# Altium PCB ARES_R06_Power.PcbDoc (part 2 of 4)
Units mm, origin at the board's own origin, x right, y up, seen from the top; angles counter-clockwise.
Board outline 75.45 x 77.99 mm, 6 copper layers (Top Layer, Mid Layer 1, Mid Layer 2, Mid Layer 3, Mid Layer 4, Bottom Layer), stack 1.58 mm thick; 168 components, 103 nets, 519 pads, 415 vias.
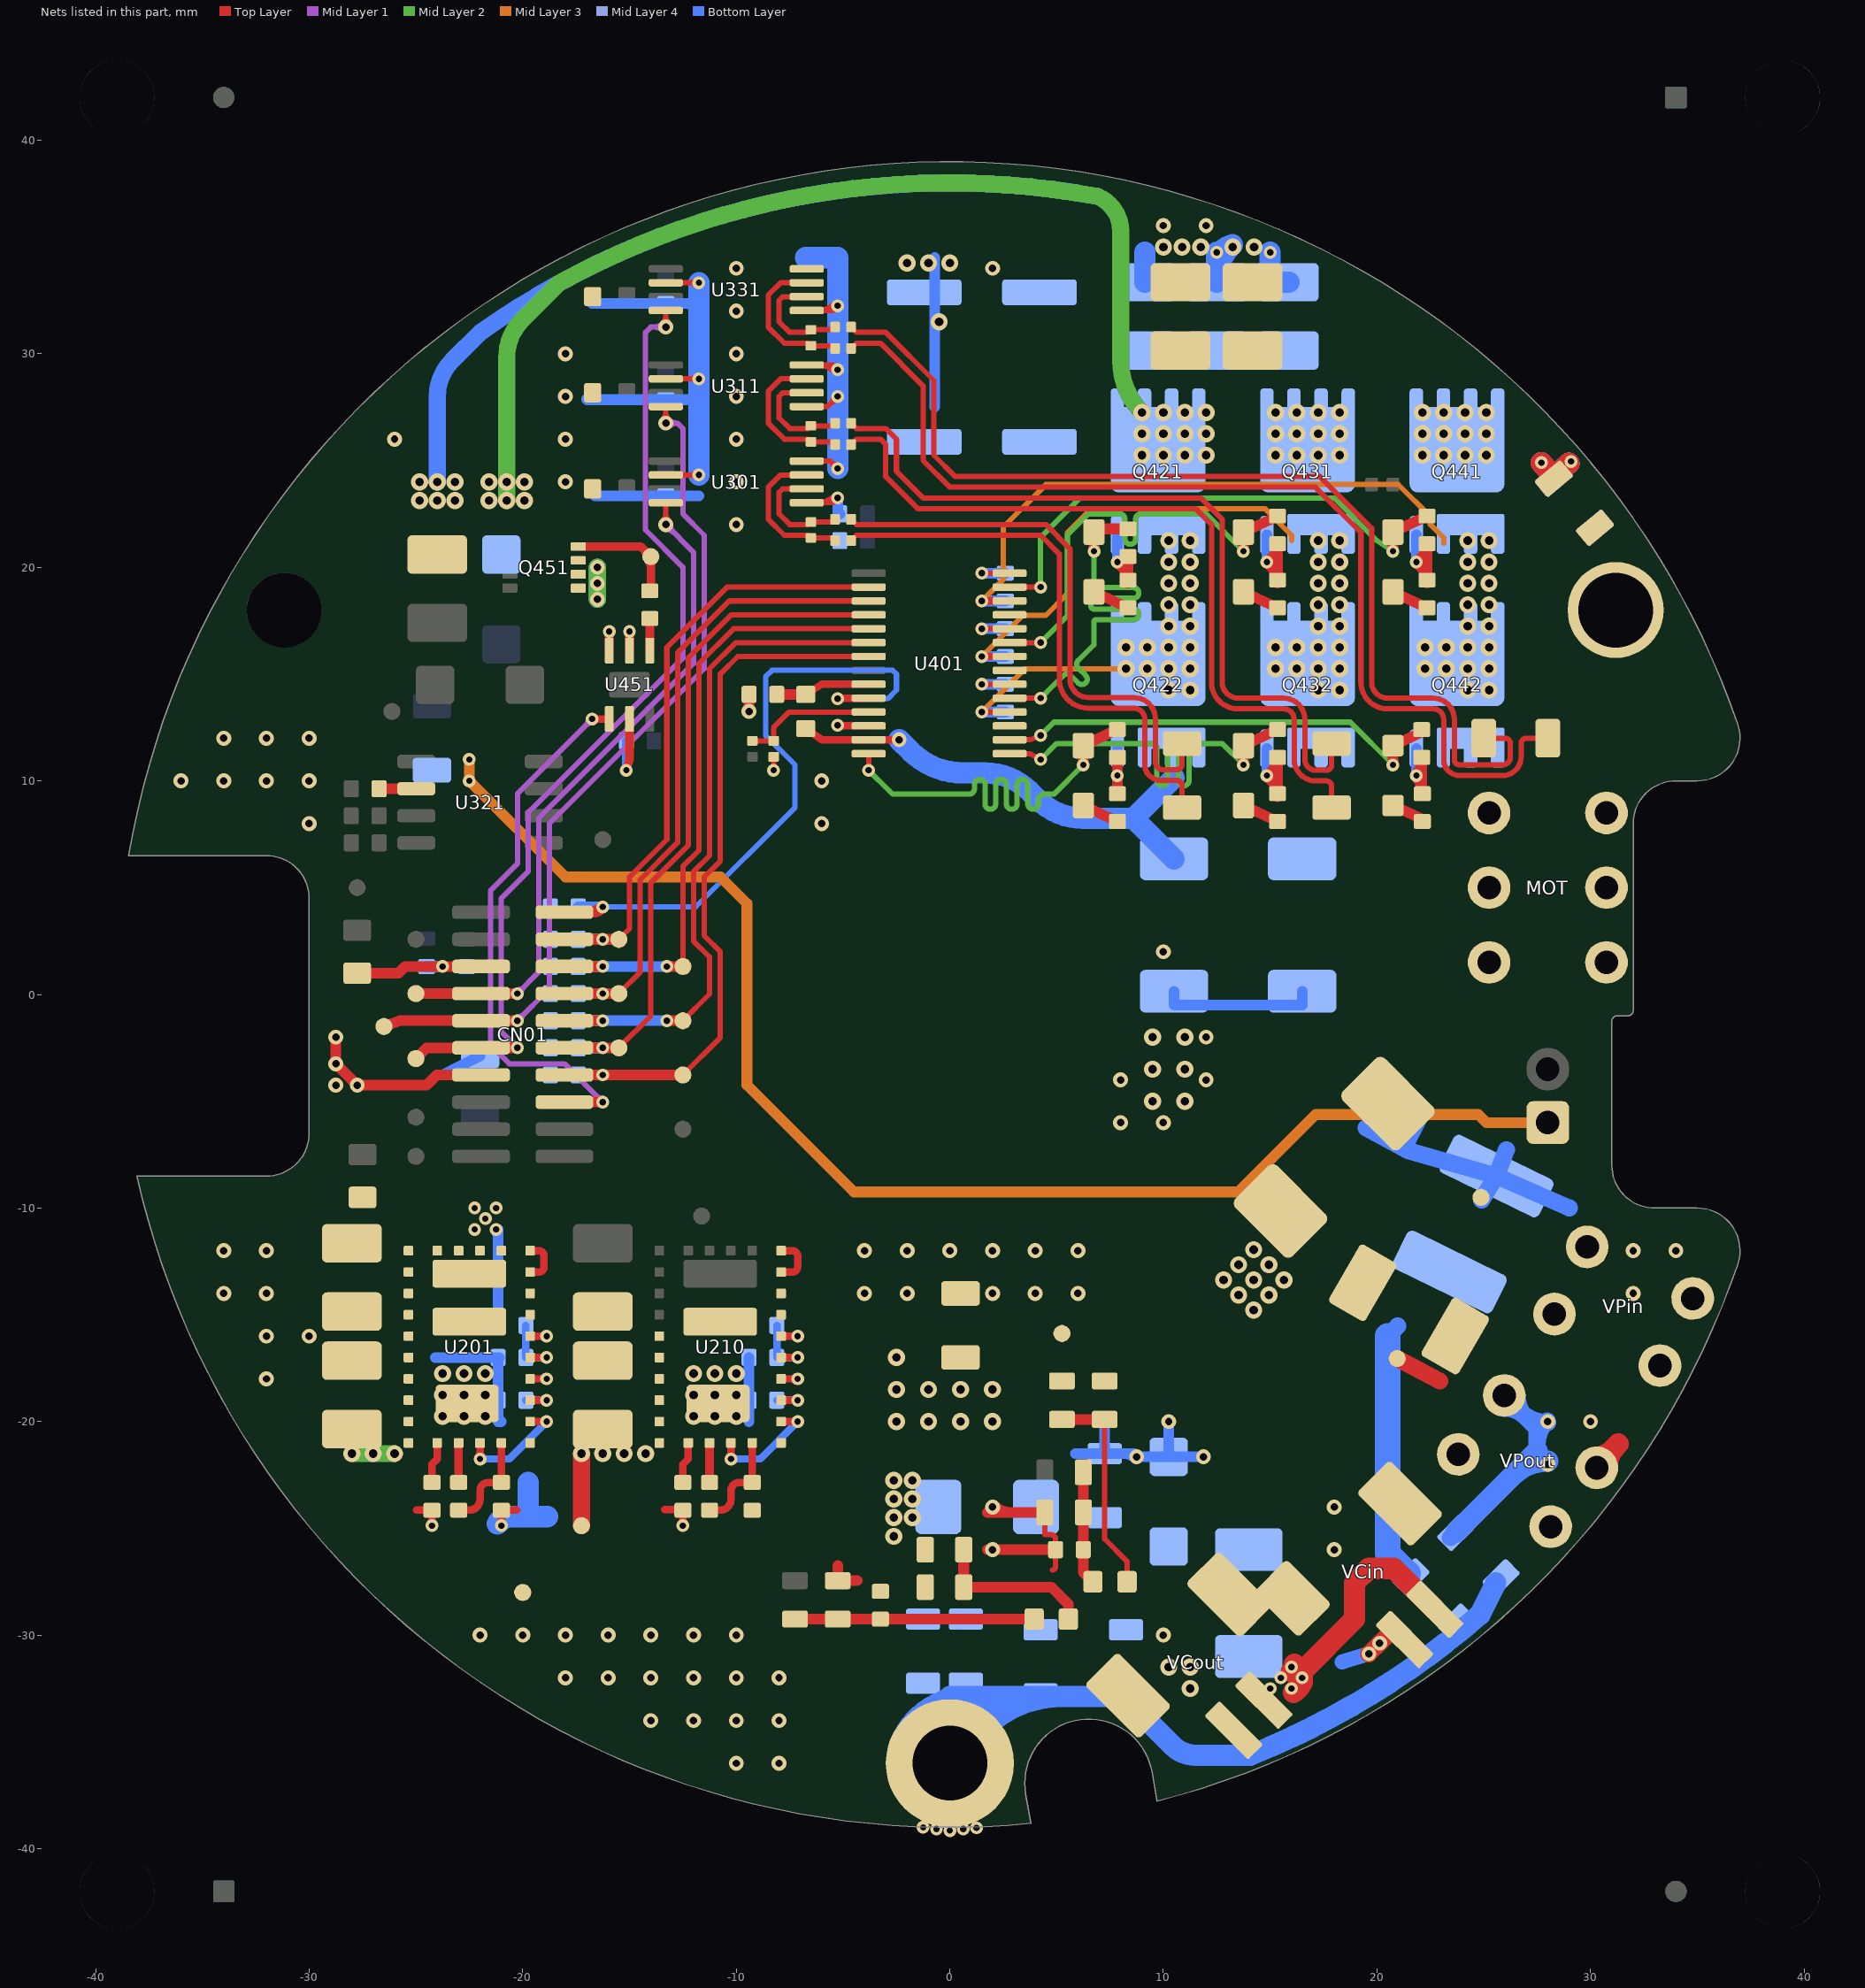
[diagram p6: the nets of this part, all layers, seen from the top]

## Via types
v1: diameter 0.8, hole 0.4, Top Layer to Bottom Layer, 138 vias
v2: diameter 0.7, hole 0.35, Top Layer to Bottom Layer, tented both sides, 79 vias
v3: diameter 0.6, hole 0.3, Top Layer to Bottom Layer, 72 vias
v4: diameter 0.6, hole 0.3, Top Layer to Bottom Layer, tented both sides, 58 vias
v5: diameter 0.8, hole 0.4, Top Layer to Bottom Layer, tented both sides, 43 vias
v6: diameter 0.7, hole 0.35, Top Layer to Bottom Layer, 25 vias

## Nets (pads, with @x,y where several pads share a name; then routed paths per layer and width w, separated by ;. In a path a pad name is that pad's centre, name@x,y a point inside that pad or via, vN(x,y) a via of type N, cw(c..) or ccw(c..) an arc to the next point about the centre after c; other vN are vias at no path point) (continued)
DGND: C114.1 C115.1 C201.1 C202.2 C203.1 C211.1 C212.2 C213.1 C331.2 C341.2 C351.2 C353.2 C354.2 C356.2 C357.2 C359.2 C401.1 C402.2 C403.1 C404.1 C405.2 C451.2 CN01.14 D104.1 DGND.1 L102.2 L103.2 R201.2 R202.2 R205.2 R211.2 R212.2 R215.2 R334.2 R344.2 R411.2 R412.1 R413.1 R414.1 R415.1 R416.2 R417.2 U201.9 U201.11 U201.24 U201.25 U201.26 U201.EP1 U210.9 U210.11 U210.24 U210.25 U210.26 U210.EP1 U301.1 U301.4 U301.6 U311.1 U311.4 U311.6 U331.1 U331.4 U331.6 U401.12 U451.2 U451.5 U451.6 VCin.1 VCin.3 VCin.4 VCout.1 VCout.3 VCout.4 | length 130.3
  Top Layer w0.25: U301.6@-13.3,24.325 v3(-11.75,24.325) ; U311.6@-13.3,28.825 v3(-11.75,28.825) ; U331.6@-13.3,33.325 v3(-11.75,33.325) ; v3@-11.874,24.201 ccw(c-12.172,23.903) -12.172,24.325 ccw(c-12.172,24.747) v3@-11.874,24.449 ; v3@-11.874,28.701 ccw(c-12.172,28.403) -12.172,28.825 ccw(c-12.172,29.247) v3@-11.874,28.949 ; v3@-11.874,33.201 ccw(c-12.172,32.903) -12.172,33.325 ccw(c-12.172,33.747) v3@-11.874,33.449 ; v3(-8.25,10.5) C403.1@-8.25,11.125 ; U301.1@-6.95,23.025 U301.1@-6.7,23.025 -5.475,23.025 v3(-5.25,23.25) ; U301.4@-6.95,24.975 U301.4@-6.7,24.975 -5.6,24.975 v3(-5.25,24.625) ; U311.1@-6.95,27.525 U311.1@-6.7,27.525 -5.725,27.525 v3(-5.25,28) ; U311.4@-6.95,29.475 U311.4@-6.7,29.475 -5.475,29.475 v3(-5.25,29.25) ; U331.1@-6.95,32.025 U331.1@-6.7,32.025 -5.475,32.025 v3(-5.25,32.25) ; U301.1@-6.216,23.025 ccw(c-6.216,24.216) v3@-5.374,23.374 ; U311.4@-6.216,29.475 cw(c-6.216,28.284) v3@-5.374,29.126 ; U331.1@-6.216,32.025 ccw(c-6.216,33.216) v3@-5.374,32.374 ; -5.612,23.025 ccw(c-5.612,23.612) v3@-5.197,23.197 ; -5.612,29.475 cw(c-5.612,28.888) v3@-5.197,29.303 ; -5.612,32.025 ccw(c-5.612,32.612) v3@-5.197,32.197 ; v3@-5.425,24.625 ccw(c-5.847,24.625) -5.549,24.924 ccw(c-5.25,25.222) v3@-5.25,24.8 ; v3@-5.425,28 cw(c-5.847,28) -5.549,27.701 cw(c-5.25,27.403) v3@-5.25,27.825 ; v3@-5.25,12.575 v3(-5.25,12.6) ; R334.2@4.362,-24.338 cw(c4.148,-24.552) 4.45,-24.552 cw(c4.752,-24.552) R334.2@4.538,-24.338 ; R334.2@4.45,-24.25 4.45,-25.3 4.75,-25.3 cw(c4.75,-25.5) 4.95,-25.5 C331.2@4.95,-26 4.95,-26.8 cw(c4.8,-26.8) 4.8,-26.95 ; C331.2@4.862,-26.088 cw(c4.648,-26.302) 4.95,-26.302 cw(c5.252,-26.302) C331.2@5.038,-26.088
  Top Layer w0.35: -24.975,-24.15 R201.2@-24.25,-24.15 v3(-24.25,-24.875) ; v3@-24.338,-24.787 ccw(c-24.552,-24.573) -24.25,-24.573 ccw(c-23.948,-24.573) v3@-24.162,-24.787 ; v3@-21.088,-24.787 ccw(c-21.302,-24.573) -21,-24.573 ccw(c-20.698,-24.573) v3@-20.912,-24.787 ; v3(-21,-24.875) C202.2@-21,-24.15 -20.275,-24.15 ; U201.9@-19.65,-18 v4(-18.875,-18) ; U201.11@-19.65,-16 v4(-18.875,-16) ; v4@-18.963,-18.088 ccw(c-19.177,-18.302) -19.177,-18 ccw(c-19.177,-17.698) v4@-18.963,-17.912 ; v4@-18.963,-16.088 ccw(c-19.177,-16.302) -19.177,-16 ccw(c-19.177,-15.698) v4@-18.963,-15.912 ; -13.35,-24.125 R211.2@-12.625,-24.125 ; v3@-12.588,-24.787 ccw(c-12.802,-24.573) -12.5,-24.573 ccw(c-12.198,-24.573) v3@-12.412,-24.787 ; v3(-12.5,-24.875) R211.2@-12.5,-24.15 ; U210.9@-7.9,-18 v4(-7.125,-18) ; U210.11@-7.9,-16 v4(-7.125,-16) ; v4@-7.213,-18.088 ccw(c-7.427,-18.302) -7.427,-18 ccw(c-7.427,-17.698) v4@-7.213,-17.912 ; v4@-7.213,-16.088 ccw(c-7.427,-16.302) -7.427,-16 ccw(c-7.427,-15.698) v4@-7.213,-15.912 ; v3@-5.25,12.575 U401.12@-3.8,12.575
  Top Layer w0.4: U451.6@-15.95,16.1 v4(-15.95,17) ; v3(-15.15,10.5) -15,11 U451.2@-15,12.9 ; U451.5@-15,16.1 v4(-15,17)
  Top Layer w0.5: v6(-28.75,-2) v6(-28.75,-3.25) v6(-27.75,-4.25) -24.5,-4.25 -24.02,-3.77 CN01.14@-21.95,-3.77 ; v6(-9.4,13.25) C401.1@-9.4,14.05 ; -5.25,-26.75 R344.2@-5.25,-27.45 -4.342,-27.45 ; v2@1.75,-26 C331.2@4.95,-26 ; 1.75,-24.25 R334.2@4.45,-24.25 ; v2@2.071,-23.929 ccw(c2.845,-23.155) 2.845,-24.25
  Top Layer w0.8: v6(19.625,-30.875) v6(20.125,-30.375) 20.793,-29.707 VCin.1@21.293,-30.207
  Bottom Layer w0.4: v3(-15.15,10.5) C451.2@-15.15,11.875
  Bottom Layer w0.5: -24.1,-17 R205.2@-21.15,-17 ; -23.75,-3.77 L102.2@-22,-2.875 ; R205.2@-21.1,-17 R205.2@-21.15,-17 ; -21,-20 -21.15,-20 R202.2@-21.15,-19 R205.2@-21.15,-17 ; -17,27.875 ccw(c-16.975,27.875) -16.975,27.85 C354.2@-13.3,27.85 -11.75,27.85 -11.5,27.85 ; -16.75,32.35 C357.2@-13.3,32.35 -11.75,32.35 ; -16.625,23.375 ccw(c-16.6,23.375) -16.6,23.35 C351.2@-13.3,23.35 -11.75,23.35 ; -11.927,27.673 ccw(c-12.354,27.246) -12.354,27.85 ccw(c-12.354,28.454) -11.927,28.027 ; -11.927,32.173 ccw(c-12.354,31.746) -12.354,32.35 ccw(c-12.354,32.954) -11.927,32.527 ; -9.4,-20 R215.2@-9.4,-17 ; v3(-5.25,23.25) -5.25,22.5 C405.2@-5.15,22.5 ; 5.875,-21.5 C115.1@7.25,-21.5 ; 7.25,-20.375 C115.1@7.25,-21.5 ; 8.147,-21.5 cw(c8.147,-22.253) v6@8.679,-21.721 ; v6@8.625,-21.5 C115.1@7.25,-21.5 ; v6(8.75,-21.65) D104.1@10.25,-21.65 ; v6(10.25,-20) D104.1@10.25,-21.65 ; v6(11.875,-21.65) D104.1@10.25,-21.65
  Bottom Layer w0.7: 18.375,-31.25 v6(19.625,-30.875) v6(20.125,-30.375) 20.437,-30.062
  Bottom Layer w1: v3@-21.184,-24.796 cw(c-20.659,-25.021) -20.659,-24.45 -19.75,-24.45 ; v3@-21.141,-24.734 cw(c-20.457,-25.418) -20.457,-24.45 ; -19.75,-22.841 -19.75,-24.45 ; -18.841,-24.45 -19.75,-24.45 ; v3(-11.75,24.325) -11.75,27.85 v3(-11.75,28.825) -11.75,32.35 v3(-11.75,33.325) ; -6.75,34.5 -5.25,34.5 v3(-5.25,32.25) v3(-5.25,29.25) v3(-5.25,28) v3(-5.25,24.625)
  other v1: 11.25,-32.5 10.25,-31.5 11.25,-31.5 -2.5,-20 -1,-20 0.5,-20 2,-20 -2.5,-18.5 -1,-18.5 0.5,-18.5 2,-18.5 -2.5,-17
  other v2: -10,-36 -8,-36 -14,-34 -12,-34 -10,-34 -8,-34 -18,-32 -16,-32 -14,-32 -12,-32 -10,-32 -8,-32 -22,-30 -20,-30 -18,-30 -16,-30 -14,-30 -12,-30 -10,-30 10,-30 2,-26 18,-26 2,-24 18,-24 -32,-18 -32,-16 -30,-16 -34,-14 -32,-14 -34,-12 -32,-12 -30,8 -6,8 -36,10 -34,10 -32,10 -30,10 -6,10 -34,12 -32,12 -30,12 -10,22 -18,24 -10,24 -26,26 -18,26 -10,26 -18,28 -10,28 -18,30 -10,30 -10,32 -10,34
  other v5: -23.75,-19.75 -22.75,-19.75 -21.75,-19.75 -12,-19.75 -11,-19.75 -10,-19.75 -23.75,-18.75 -22.75,-18.75 -21.75,-18.75 -12,-18.75 -11,-18.75 -10,-18.75 -23.75,-17.75 -22.75,-17.75 -21.75,-17.75 -12,-17.75 -11,-17.75 -10,-17.75
  other v6: -28.75,-4.25
DRV_COM: Q422.1 Q432.1 Q442.1 R401.1 R461.2 R462.2 U401.13 | length 22
  Top Layer w0.35: R401.1@-6.75,12.45 -6,11.925 U401.13@-3.8,11.925 v6(-2.375,11.925)
  Bottom Layer w1: v6(-2.375,11.925) -1.85,11.4 ccw(c0.625,13.876) 0.625,10.375 1.638,10.375 cw(c1.638,7.388) 3.75,9.5 4.116,9.134 ccw(c6.25,11.268) 6.25,8.25 8.6,8.25 ; R462.2@10.5,6.35 8.6,8.25 ; 10.5,10.15 8.6,8.25
FG: C103.1 C104.2 C113.1 C114.2 C131A.1 M1.1 R131A.1 | length 53.3
  Bottom Layer w1: M1.1@-2.34,-35.12 cw(c0.903,-36.339) 0.903,-32.875 ; M1.1@-1.404,-35.472 cw(c2.347,-36.883) 2.347,-32.875 ; M1.1@-0.468,-35.824 cw(c3.792,-37.426) C113.1@3.792,-32.875 ; M1.1@0,-36 0,-32.875 8.125,-32.875 10.433,-35.183 ccw(c11.5,-34.116) 11.497,-35.625 ; M1.1@0.468,-36.176 cw(c5.236,-37.969) 5.236,-32.875 ; 11.5,-35.625 cw(c11.5,-34.116) 11.497,-35.625 ; C104.2@25.561,-27.561 24.826,-29.036 cw(c-0.125,-0.375) 14.068,-35.625 11.497,-35.625
  other v4: 0,-39.15 -0.625,-39.075 0.625,-39.075 1.25,-39.025 -1.25,-39
FG1: C131.1 M3.1 R131.1
IU: CN01.8 IU.1 U301.8 | length 34.1
  Top Layer w0.25: v6@-13.459,22.159 ccw(c-13.843,22.543) -13.3,22.543 ccw(c-12.757,22.543) v6@-13.141,22.159 ; v6(-13.3,22) U301.8@-13.3,23.025
  Top Layer w0.5: IU.1@-25,0.04 CN01.8@-21.95,0.04 v3(-20.25,0.04)
  Mid Layer 1 w0.25: v3(-20.25,0.04) -19.25,1.04 -19.25,8.25 -12,15.5 -12,20.7 v6(-13.3,22) ; v3@-20.25,0.215 ccw(c-20.25,0.637) -19.951,0.339 ccw(c-19.653,0.04) v3@-20.075,0.04 ; v6@-13.3,21.775 cw(c-13.3,21.232) -12.916,21.616 cw(c-12.532,22) v6@-13.075,22
IV: CN01.10 IV.1 U311.8 | length 42.1
  Top Layer w0.25: v6@-13.459,26.909 ccw(c-13.843,27.293) -13.3,27.293 ccw(c-12.757,27.293) v6@-13.141,26.909 ; v6(-13.3,26.75) U311.8@-13.3,27.525
  Top Layer w0.5: IV.1@-26.5,-1.5 -25.75,-1.23 CN01.10@-21.95,-1.23 v3(-20.25,-1.23)
  Mid Layer 1 w0.25: v3(-20.25,-1.23) -18.75,0.27 -18.75,8 -11.5,15.25 -11.5,21.5 -12.5,22.5 -12.5,26.5 -12.75,26.75 v6(-13.3,26.75) ; v3@-20.25,-1.055 ccw(c-20.25,-0.633) -19.951,-0.931 ccw(c-19.653,-1.23) v3@-20.075,-1.23 ; v6@-13.141,26.591 cw(c-12.757,26.207) -12.757,26.75 cw(c-12.757,27.293) v6@-13.141,26.909
IW: CN01.12 IW.1 U331.8 | length 47.2
  Top Layer w0.25: v6@-13.459,31.409 ccw(c-13.843,31.793) -13.3,31.793 ccw(c-12.757,31.793) v6@-13.141,31.409 ; v6(-13.3,31.25) U331.8@-13.3,32.025
  Top Layer w0.5: IW.1@-25,-3 -24.5,-2.5 CN01.12@-21.95,-2.5 v3(-20.25,-2.5)
  Mid Layer 1 w0.25: v3@-20.425,-2.5 ccw(c-20.847,-2.5) -20.549,-2.201 ccw(c-20.25,-1.903) v3@-20.25,-2.325 ; v3(-20.25,-2.5) -21,-1.75 -21,4.5 -19.75,5.75 -19.75,8.5 -12.5,15.75 -12.5,20 -14.25,21.75 -14.25,31 -14,31.25 v6(-13.3,31.25) ; v6@-13.459,31.091 ccw(c-13.843,30.707) -13.843,31.25 ccw(c-13.843,31.793) v6@-13.459,31.409
MOT_U: MOT.1 R351.1 RSU.1 | length 26.6
  Top Layer w0.25: R351.1@-4.625,21.25 -4.375,21.5 4.25,21.5 5.125,20.625 5.125,14.775 ccw(c6.5,14.775) 6.5,13.4 8.625,13.4 cw(c8.625,12.9) 9.125,12.9 9.125,10.774 ccw(c9.874,10.774) 9.874,10.025 10.625,10.025 cw(c10.625,9.775) 10.875,9.775 RSU.1@10.875,8.775
MOT_V: MOT.2 R353.1 RSV.1 | length 37.1
  Top Layer w0.25: R353.1@-4.625,25.75 -4.375,26 -3.25,26 -3,25.75 -3,24.25 -1.5,22.75 11.5,22.75 12.25,22 12.25,14.625 ccw(c13.5,14.625) 13.5,13.375 15.625,13.375 cw(c15.625,12.875) 16.125,12.875 16.125,11 ccw(c17.125,11) 17.125,10 17.625,10 cw(c17.625,9.75) 17.875,9.75 RSV.1@17.875,8.75
MOT_W: MOT.3 R355.1 RSW.1 | length 50
  Top Layer w0.25: R355.1@-4.625,30.25 -4.375,30.5 -3.25,30.5 -1.25,28.5 -1.25,25 0,23.75 17.125,23.75 19.25,21.625 19.25,14.625 ccw(c20.5,14.625) 20.5,13.375 22.625,13.375 cw(c22.625,12.875) 23.125,12.875 23.125,11 ccw(c23.875,11) 23.875,10.25 25.875,10.25 ccw(c25.875,11.125) 26.75,11.125 26.75,11.75 cw(c27,11.75) 27,12 RSW.1@28,12
NetBRK_1: BRK.1 F141.1 | length 66.7
  Mid Layer 3 w0.5: v3(-22.5,11) v3(-22.5,10) -18,5.5 -10.737,5.5 -9.5,4.263 -9.5,-4.237 -4.487,-9.25 13.5,-9.25 17.125,-5.625 24.75,-5.625 25.125,-6 BRK.1@28,-6 ; BRK.1@27.994,-6.014 BRK.1@28.5,-6.25
NetBRK_ON_1: BRK_ON.1 Q451.4 R453.1 | length 6.7
  Top Layer w0.4: Q451.4@-17.4,20.975 -14.475,20.975 BRK_ON.1@-14,20.5 -14,18.95 R453.1@-14.05,18.9 ; BRK_ON.1@-14.2,20.5 ccw(c-14.683,20.5) -14.341,20.841 ccw(c-14,21.183) BRK_ON.1@-14,20.7 ; BRK_ON.1@-14.141,20.359 cw(c-14.483,20.017) -14,20.017 cw(c-13.517,20.017) BRK_ON.1@-13.859,20.359
NetC113_2: C113.2 C115.2 D103.1 D104.2 F111.2
NetC202_1: C202.1 R203.1 U201.5 | length 4.8
  Top Layer w0.35: R203.1@-23,-24.15 -22.5,-24.15 ccw(c-22.5,-23.65) -22,-23.65 -22,-23.25 cw(c-21.6,-23.25) -21.6,-22.85 C202.1@-21,-22.85 U201.5@-21,-21
NetC203_2: C203.2 FB211.1 R204.1 U201.16 U201.17 U201.18 U201.19 U201.20 U201.21 U201.22 U201.23 U201.EP2 | length 4.9
  Bottom Layer w0.5: v4@-21.285,-11.035 cw(c-21.612,-11.362) -21.15,-11.362 ; R204.1@-21.15,-15.5 v4@-21.15,-11
  other v4: -22.25,-11 -21.25,-11 -21.75,-10.5 -22.25,-10 -21.25,-10
NetC212_1: C212.1 R213.1 U210.5 | length 4.8
  Top Layer w0.35: R213.1@-11.25,-24.15 -10.75,-24.15 ccw(c-10.75,-23.65) -10.25,-23.65 -10.25,-23.25 cw(c-9.85,-23.25) -9.85,-22.85 C212.1@-9.25,-22.85 U210.5@-9.25,-21
NetC323_1: C323.1 U321.6 | length 1.7
  Top Layer w0.5: C323.1@-26.725,9.635 U321.6@-24.984,9.635
NetC331_1: C331.1 DCLink.2 R334.1 R335.1 | length 5.3
  Top Layer w0.5: R335.1@6.25,-22.375 R334.1@6.25,-24.25 C331.1@6.25,-26 6.25,-27.05 DCLink.2@6.7,-27.5
NetC341_1: C341.1 Ctrl.2 R344.1 R345.1 | length 11.2
  Top Layer w0.5: R345.1@-7.25,-29.25 R344.1@-5.25,-29.25 Ctrl.2@3.95,-29.25
NetC352_1: C352.1 R352.2 U301.2 | length 5.3
  Top Layer w0.25: U301.2@-6.7,23.675 -7.825,23.675 -8,23.5 -8,22.5 -7.5,22 -6.625,22 C352.1@-6.5,22.125 -5.5,22.125 R352.2@-5.375,22.25
NetC352_2: C352.2 R351.2 U301.3 | length 7.1
  Top Layer w0.25: U301.3@-6.7,24.325 -7.925,24.325 -8.5,23.75 -8.5,22.25 -7.75,21.5 -6.625,21.5 C352.2@-6.5,21.375 -5.5,21.375 R351.2@-5.375,21.25
NetC355_1: C355.1 R354.2 U311.2 | length 5.3
  Top Layer w0.25: U311.2@-6.7,28.175 -7.825,28.175 -8,28 -8,27 -7.5,26.5 -6.625,26.5 C355.1@-6.5,26.625 -5.5,26.625 R354.2@-5.375,26.75
NetC355_2: C355.2 R353.2 U311.3 | length 7.1
  Top Layer w0.25: U311.3@-6.7,28.825 -7.925,28.825 -8.5,28.25 -8.5,26.75 -7.75,26 -6.625,26 C355.2@-6.5,25.875 -5.5,25.875 R353.2@-5.375,25.75
NetC358_1: C358.1 R356.2 U331.2 | length 5.3
  Top Layer w0.25: U331.2@-6.7,32.675 -7.825,32.675 -8,32.5 -8,31.5 -7.5,31 -6.625,31 C358.1@-6.5,31.125 -5.5,31.125 R356.2@-5.375,31.25
NetC358_2: C358.2 R355.2 U331.3 | length 7.1
  Top Layer w0.25: U331.3@-6.7,33.325 -7.925,33.325 -8.5,32.75 -8.5,31.25 -7.75,30.5 -6.625,30.5 C358.2@-6.5,30.375 -5.5,30.375 R355.2@-5.375,30.25
NetC401_2: C401.2 R401.2 U401.9 | length 4.4
  Top Layer w0.35: R401.2@-6.75,14.05 -6,14.525 U401.9@-3.8,14.525
  Top Layer w0.5: C401.2@-8.1,14.05 R401.2@-6.75,14.05
NetC421_1: C421.1 U401.20 | length 2.4
  Top Layer w0.25: v4(1.5,14.525) U401.20@2.8,14.525
  Bottom Layer w0.5: v4(1.5,14.525) C421.1@2.6,14.525
NetC431_2: C431.2 U401.24 | length 2.4
  Top Layer w0.25: v4(1.5,17.125) U401.24@2.8,17.125
  Bottom Layer w0.5: v4(1.5,17.125) C431.2@2.6,17.125
NetC441_2: C441.2 U401.28 | length 2.4
  Top Layer w0.25: v4(1.5,19.725) U401.28@2.8,19.725
  Bottom Layer w0.5: v4(1.5,19.725) C441.2@2.6,19.725
NetCtrl_1: Ctrl.1 R341.2 R342.2 | length 7.7
  Top Layer w0.5: R342.2@0.65,-26 R341.2@0.65,-27.75 4.75,-27.75 5.55,-28.55 Ctrl.1@5.55,-29.25
NetD401_1: D401.1 R421.2 | length 1.8
  Top Layer w0.5: D401.1@6.75,18.85 R421.2@8.345,18.1
NetD402_1: D402.1 R423.2 | length 1.8
  Top Layer w0.5: D402.1@6.25,8.85 R423.2@7.845,8.1
NetD403_1: D403.1 R431.2 | length 1.8
  Top Layer w0.5: D403.1@13.75,18.85 R431.2@15.345,18.1
NetD404_1: D404.1 R433.2 | length 1.8
  Top Layer w0.5: D404.1@13.75,8.85 R433.2@15.345,8.1
NetD405_1: D405.1 R441.2 | length 1.8
  Top Layer w0.5: D405.1@20.75,18.85 R441.2@22.345,18.1
NetD406_1: D406.1 R443.2 | length 1.5
  Top Layer w0.5: D406.1@20.75,8.85 R443.2@22.146,8.194
NetDCLink_1: DCLink.1 R331.2 R332.2 | length 10.5
  Top Layer w0.25: R331.2@7.162,-19.988 cw(c6.948,-20.202) 7.25,-20.202 cw(c7.552,-20.202) R331.2@7.338,-19.988 ; R331.2@7.25,-19.9 7.25,-25.5 8.3,-26.55 DCLink.1@8.3,-27.5
  Top Layer w0.5: R332.2@5.25,-19.9 R331.2@7.25,-19.9
NetQ421_4: Q421.4 R421.1 R422.1 | length 4
  Top Layer w0.5: v3@7.819,20.207 cw(c7.236,19.264) R421.1@8.345,19.264 ; v3(7.845,20.25) R422.1@8.345,20.25 ; R421.1@8.345,19.4 R422.1@8.345,20.25 ; R422.1@8.345,20.5 R422.1@8.345,20.25
  Bottom Layer w0.5: v3(7.845,20.25) Q421.4@7.845,21.516
NetQ422_4: Q422.4 R423.1 R424.1 | length 3
  Top Layer w0.5: R423.1@7.845,9.4 v3(7.845,10.25) R424.1@7.845,11.1
  Bottom Layer w0.5: v3(7.845,10.25) Q422.4@7.845,11.516
NetQ431_4: Q431.4 R431.1 R432.1 | length 5.6
  Top Layer w0.5: v3@14.819,20.207 cw(c14.236,19.264) R431.1@15.345,19.264 ; v3@14.825,20.296 ccw(c14.463,21.1) R432.1@15.345,21.1 15.345,20.25 ; v3(14.845,20.25) 15.345,20.25 ; R431.1@15.345,19.4 15.345,20.25
  Bottom Layer w0.5: v3(14.845,20.25) Q431.4@14.845,21.516
NetQ432_4: Q432.4 R433.1 R434.1 | length 5.6
  Top Layer w0.5: v3@14.819,10.207 cw(c14.236,9.264) R433.1@15.345,9.264 ; v3@14.825,10.296 ccw(c14.463,11.1) R434.1@15.345,11.1 15.345,10.25 ; v3(14.845,10.25) 15.345,10.25 ; R433.1@15.345,9.4 15.345,10.25
  Bottom Layer w0.5: v3(14.845,10.25) Q432.4@14.845,11.516
NetQ441_4: Q441.4 R441.1 R442.1 | length 5.6
  Top Layer w0.5: v3@21.819,20.207 cw(c21.236,19.264) R441.1@22.345,19.264 ; v3@21.825,20.296 ccw(c21.463,21.1) R442.1@22.345,21.1 22.345,20.25 ; v3(21.845,20.25) 22.345,20.25 ; R441.1@22.345,19.4 22.345,20.25
  Bottom Layer w0.5: v3(21.845,20.25) Q441.4@21.845,21.515
NetQ442_4: Q442.4 R443.1 R444.1 | length 4.7
  Top Layer w0.5: v3@21.81,10.215 cw(c21.121,9.526) R443.1@22.095,9.526 ; v3@21.81,10.285 ccw(c21.121,10.974) R444.1@22.095,10.974 ; v3(21.845,10.25) v3@22.095,10.25 ; R443.1@22.095,9.4 v3@22.095,10.25 ; R444.1@22.095,11.1 v3@22.095,10.25
  Bottom Layer w0.5: v3(21.845,10.25) Q442.4@21.845,11.515
NetR201_1: R201.1 U201.2 | length 2
  Top Layer w0.35: R201.1@-24.25,-22.85 -24.25,-22 -24,-21.75 U201.2@-24,-21
NetR202_1: R202.1 U201.8 | length 2.7
  Top Layer w0.35: U201.8@-19.65,-19 v4(-18.875,-19) ; v4@-18.963,-19.088 ccw(c-19.177,-19.302) -19.177,-19 ccw(c-19.177,-18.698) v4@-18.963,-18.912
  Bottom Layer w0.35: R202.1@-19.85,-19 v4(-18.875,-19) ; v4@-18.963,-19.088 ccw(c-19.177,-19.302) -19.177,-19 ccw(c-19.177,-18.698) v4@-18.963,-18.912
NetR203_2: R203.2 U201.3 | length 1.9
  Top Layer w0.4: R203.2@-23,-22.85 U201.3@-23,-21
NetR204_2: R204.2 R205.1 U201.10 | length 4.2
  Top Layer w0.35: U201.10@-19.65,-17 v4(-18.875,-17) ; v4@-18.963,-17.088 ccw(c-19.177,-17.302) -19.177,-17 ccw(c-19.177,-16.698) v4@-18.963,-16.912
  Bottom Layer w0.35: R204.2@-19.85,-15.5 R205.1@-19.85,-17 v4(-18.875,-17) ; v4@-18.963,-17.088 ccw(c-19.177,-17.302) -19.177,-17 ccw(c-19.177,-16.698) v4@-18.963,-16.912
NetR211_1: R211.1 U210.2 | length 2
  Top Layer w0.35: R211.1@-12.5,-22.85 -12.5,-22 -12.25,-21.75 U210.2@-12.25,-21
NetR212_1: R212.1 U210.8 | length 2.7
  Top Layer w0.35: U210.8@-7.9,-19 v4(-7.125,-19) ; v4@-7.213,-19.088 ccw(c-7.427,-19.302) -7.427,-19 ccw(c-7.427,-18.698) v4@-7.213,-18.912
  Bottom Layer w0.35: R212.1@-8.1,-19 v4(-7.125,-19) ; v4@-7.213,-19.088 ccw(c-7.427,-19.302) -7.427,-19 ccw(c-7.427,-18.698) v4@-7.213,-18.912
NetR213_2: R213.2 U210.3 | length 1.9
  Top Layer w0.4: R213.2@-11.25,-22.85 U210.3@-11.25,-21
NetR214_2: R214.2 R215.1 U210.10 | length 4.2
  Top Layer w0.35: U210.10@-7.9,-17 v4(-7.125,-17) ; v4@-7.213,-17.088 ccw(c-7.427,-17.302) -7.427,-17 ccw(c-7.427,-16.698) v4@-7.213,-16.912
  Bottom Layer w0.35: R214.2@-8.1,-15.5 R215.1@-8.1,-17 v4(-7.125,-17) ; v4@-7.213,-17.088 ccw(c-7.427,-17.302) -7.427,-17 ccw(c-7.427,-16.698) v4@-7.213,-16.912
NetR453_2: R453.2 U451.4 | length 1.5
  Top Layer w0.4: U451.4@-14.05,16.1 R453.2@-14.05,17.6 R453.2@-14.05,17.65
NetU201_4: U201.4 U201.7 | length 7.3
  Top Layer w0.35: v4@-22.088,-21.662 ccw(c-22.302,-21.448) -22,-21.448 ccw(c-21.698,-21.448) v4@-21.912,-21.662 ; v4(-22,-21.75) U201.4@-22,-21 ; U201.7@-19.65,-20 v4(-18.875,-20) ; v4@-18.963,-20.088 ccw(c-19.177,-20.302) -19.177,-20 ccw(c-19.177,-19.698) v4@-18.963,-19.912
  Bottom Layer w0.35: v4(-22,-21.75) -20.625,-21.75 v4(-18.875,-20) ; v4@-21.912,-21.838 cw(c-21.698,-22.052) -21.698,-21.75 cw(c-21.698,-21.448) v4@-21.912,-21.662 ; v4@-19,-20 cw(c-19.302,-20) -19.088,-20.213 cw(c-18.875,-20.427) v4@-18.875,-20.125
NetU201_6: U201.6
NetU201_12: U201.12
NetU201_13: U201.13
NetU201_14: U201.14 U201.15 | length 2.1
  Top Layer w0.35: U201.14@-19.65,-13 -19.25,-13 ccw(c-19.25,-12.75) -19,-12.75 -19,-12.25 ccw(c-19.25,-12.25) -19.25,-12 U201.15@-19.65,-12
NetU201_EP3: U201.EP3
NetU210_4: U210.4 U210.7 | length 7.3
  Top Layer w0.35: v4@-10.338,-21.662 ccw(c-10.552,-21.448) -10.25,-21.448 ccw(c-9.948,-21.448) v4@-10.162,-21.662 ; v4(-10.25,-21.75) U210.4@-10.25,-21 ; U210.7@-7.9,-20 v4(-7.125,-20) ; v4@-7.213,-20.088 ccw(c-7.427,-20.302) -7.427,-20 ccw(c-7.427,-19.698) v4@-7.213,-19.912
  Bottom Layer w0.35: v4(-10.25,-21.75) -8.875,-21.75 v4(-7.125,-20) ; v4@-10.162,-21.838 cw(c-9.948,-22.052) -9.948,-21.75 cw(c-9.948,-21.448) v4@-10.162,-21.662 ; v4@-7.25,-20 cw(c-7.552,-20) -7.338,-20.213 cw(c-7.125,-20.427) v4@-7.125,-20.125
NetU210_6: U210.6
NetU210_12: U210.12
NetU210_13: U210.13
NetU210_14: U210.14 U210.15 | length 2.3
  Top Layer w0.35: U210.14@-7.9,-13 -7.375,-13 ccw(c-7.375,-12.75) -7.125,-12.75 -7.125,-12.25 ccw(c-7.375,-12.25) -7.375,-12 U210.15@-7.9,-12
NetU210_EP3: U210.EP3
NetU401_17: U401.17
NetU401_21: U401.21
NetU401_25: U401.25
PGND: C104.1 C105.1 C121.2 C122.2 C123.2 C124.2 C125.2 C131.2 C131A.2 C452.1 C453.2 C454.2 D102.1 L103.1 PGND.1 Q451.1 Q451.2 Q451.3 R131.2 R131A.2 R461.1 R462.1 VPin.2 VPout.2 | length 104
  Top Layer w1: v3(27.704,24.901) 28.25,24.25 v3@28.987,24.869 ; VPout.2@30.267,-21.665 ccw(c30.2,-20.46) 31.099,-21.264 ccw(c31.999,-22.069) VPout.2@30.794,-22.136 ; VPout.2@30.294,-22.164 31.295,-21.046